# Altium PCB BaseBoard_KB_ATM_.PcbDoc (part 2 of 2)
Units mm, origin at the board's own origin, x right, y up, seen from the top; angles counter-clockwise.
Board outline 97.5 x 100 mm, 2 copper layers (Component Side, Bottom Layer), stack 1.57 mm thick; 186 components, 117 nets, 507 pads, 152 vias.
Unrouted connection lines stored in the file: 4.
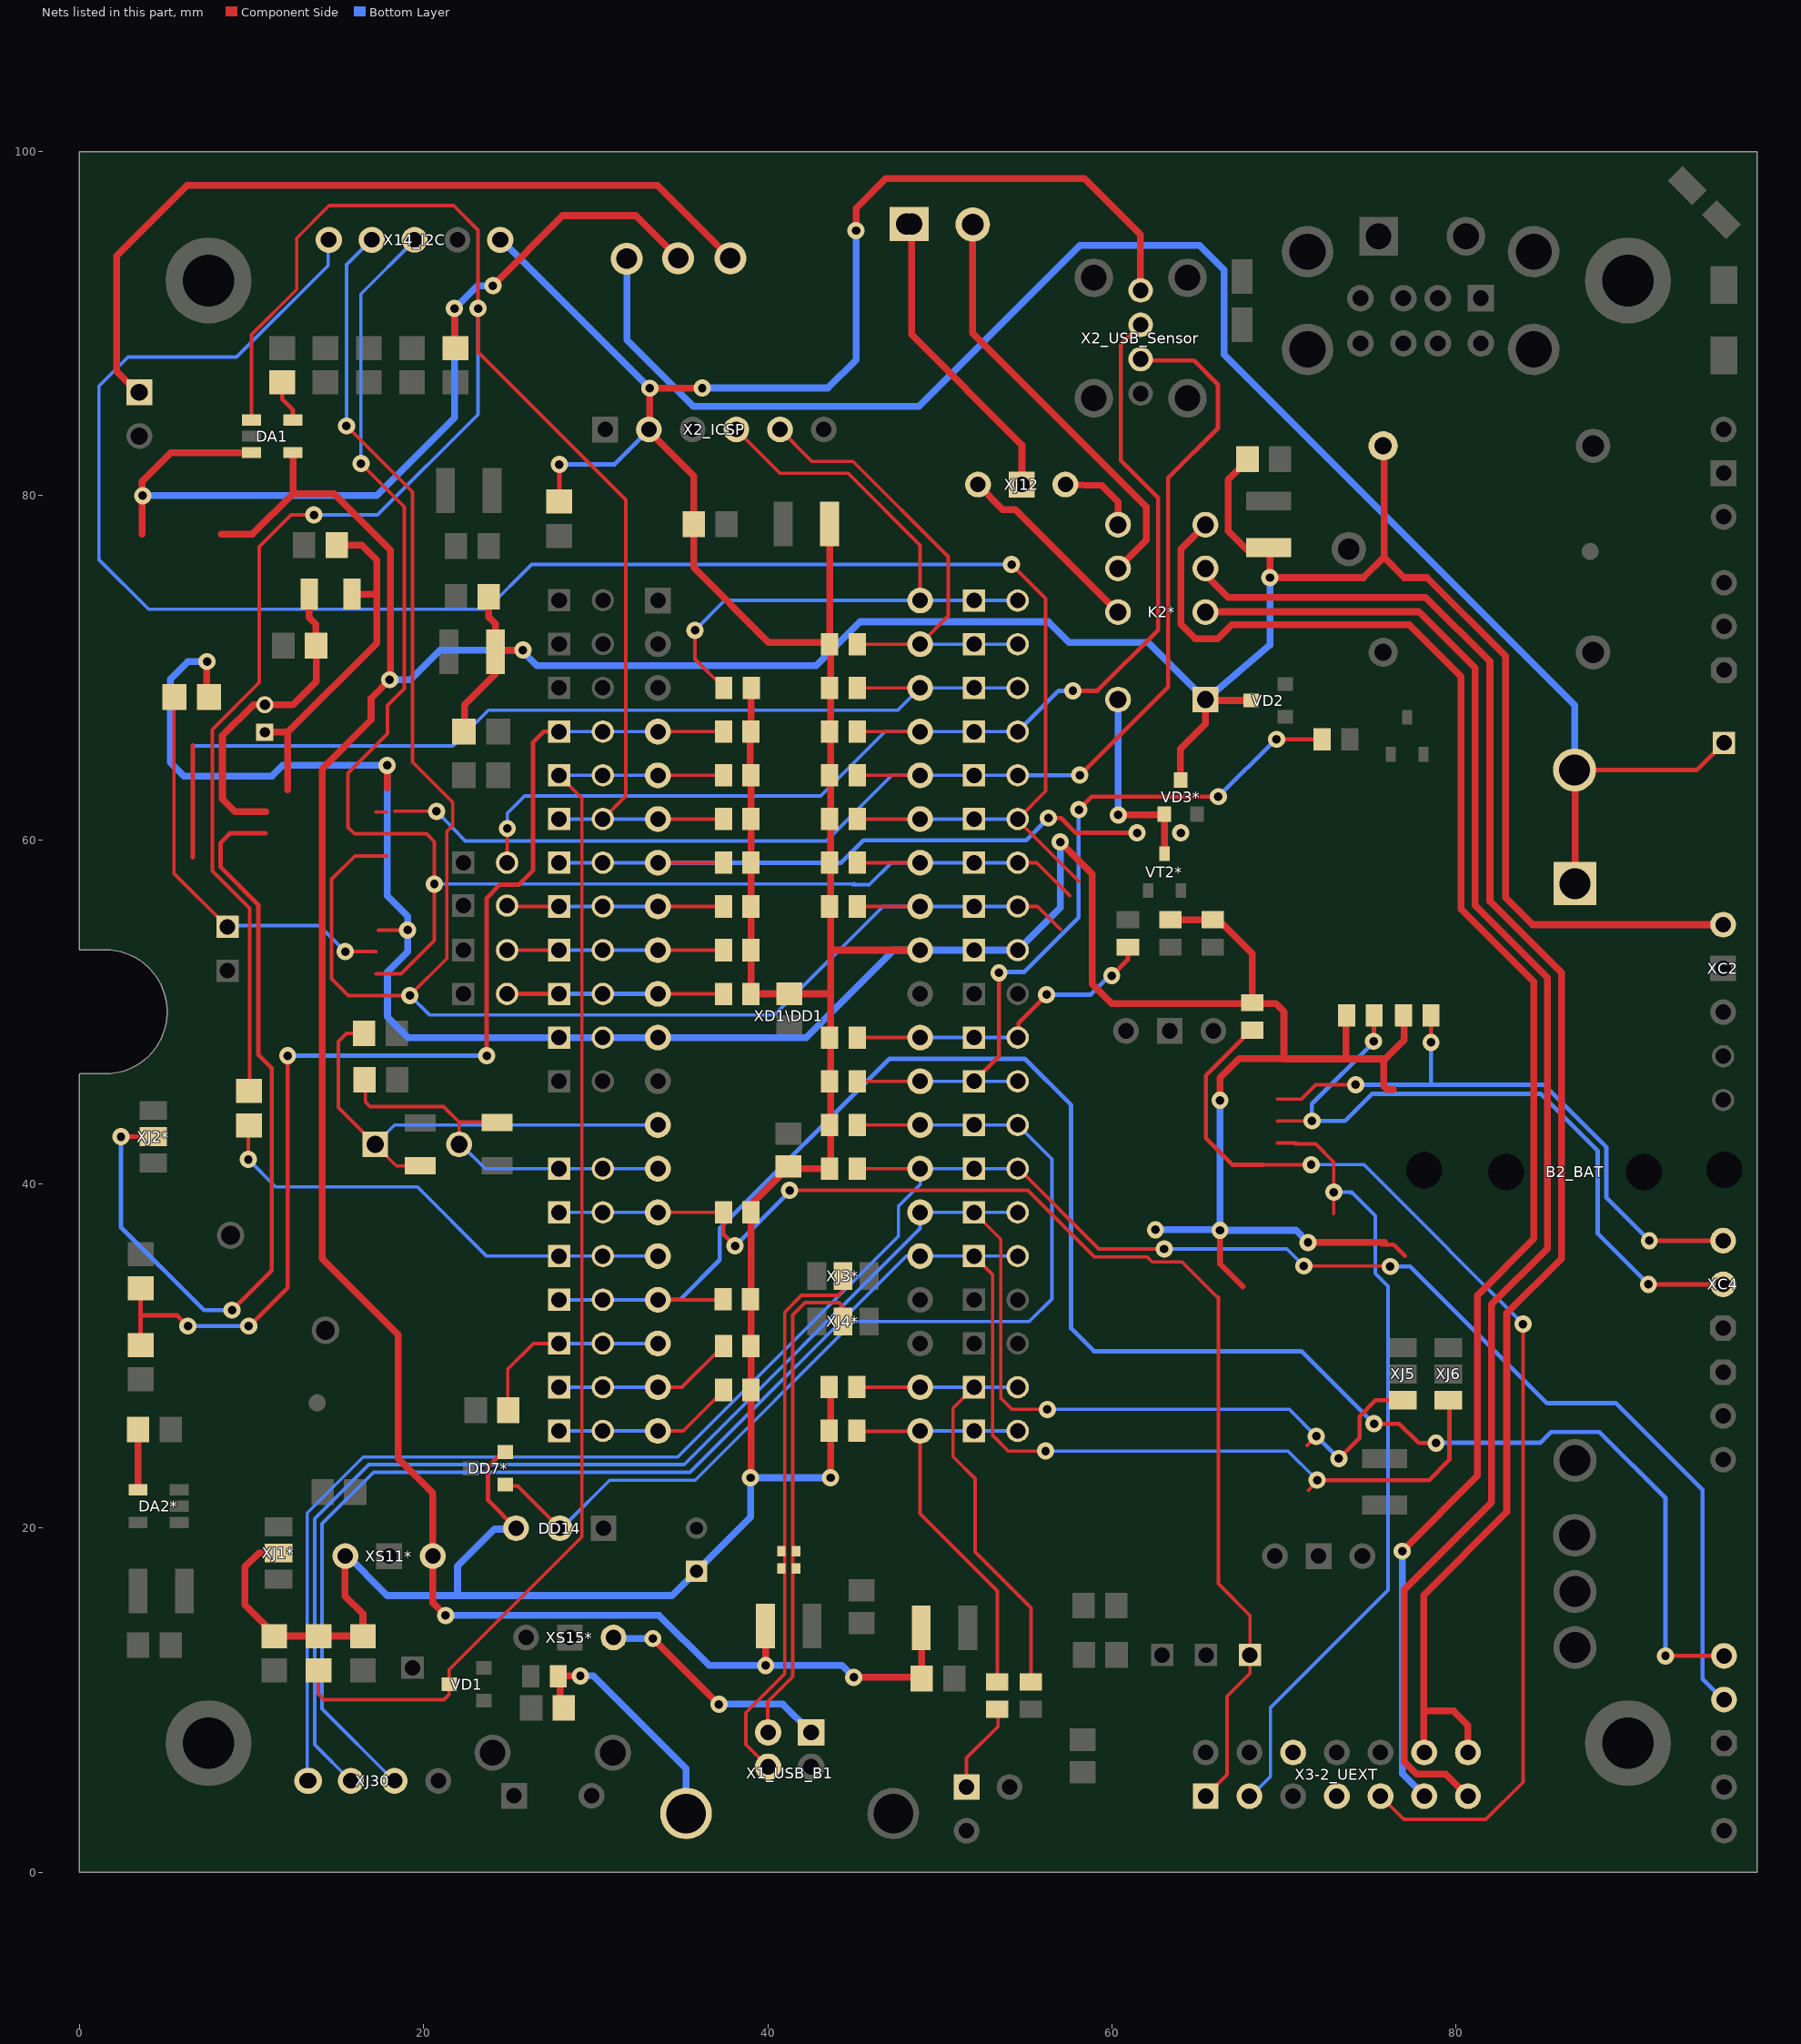
[diagram p2: the nets of this part, all layers, seen from the top]

## Via types
v1: diameter 1, hole 0.5, Component Side to Bottom Layer, tented both sides, 92 vias
v2: diameter 1, hole 0.5, Component Side to Bottom Layer, 45 vias
v3: diameter 1.5, hole 0.9, Component Side to Bottom Layer, tented both sides, 6 vias
v4: diameter 1.85, hole 1.2, Component Side to Bottom Layer, 5 vias
v5: diameter 2, hole 1.3, Component Side to Bottom Layer, 4 vias

## Nets (pads, with @x,y where several pads share a name; then routed paths per layer and width w, separated by ;. In a path a pad name is that pad's centre, name@x,y a point inside that pad or via, vN(x,y) a via of type N, cw(c..) or ccw(c..) an arc to the next point about the centre after c; other vN are vias at no path point) (continued)
INT0: R43.1 X2_USB_Sensor.3 XD1\DD1.36 XJP1_2_11.1 XJP1_2_11.2 | length 77.6
  Component Side w0.2: 17.24,61.62 17.255,61.605 17.854,61.605 ; 18.315,61.656 v1(20.752,61.656) ; R43.1@45.2,63.746 XD1\DD1.36@48.858,63.746
  Component Side w0.254: v2@58.141,63.746 63.275,68.88 63.275,81.03 66.167,83.922 66.167,86.462 64.77,87.859 61.671,87.859 X2_USB_Sensor.3@61.62,87.808
  Bottom Layer w0.2: v1(20.752,61.656) 22.427,59.93 43.405,59.93 47.221,63.746 XJP1_2_11.1@51.99,63.746 ; XJP1_2_11.1@51.99,63.746 XJP1_2_11.2@54.53,63.746
  Bottom Layer w0.254: XJP1_2_11.2@54.53,63.746 v2@58.123,63.746
  other v2: 58.141,63.754
INT2: R42.1 X14_I2C.5 XD1\DD1.35 XJP1_2_10.1 XJP1_2_10.2 | length 113.8
  Component Side w0.2: R42.1@45.2,61.206 XD1\DD1.35@48.858,61.206 ; v2(54.175,76) 56.15,74.025 56.15,62.826 XJP1_2_10.2@54.53,61.206 54.53,61.132 58.09,57.573
  Bottom Layer w0.2: X14_I2C.5@14.453,94.869 14.453,93.37 9.132,88.05 2.825,88.05 1.125,86.35 1.125,76.3 4.025,73.4 23.675,73.4 26.275,76 v2(54.175,76) ; XD1\DD1.35@48.858,61.206 XJP1_2_10.1@51.99,61.206 XJP1_2_10.2@54.53,61.206
  other v3: 14.503,94.869
K4_2: K2*.3 X3-2_UEXT.13 | length 90.3
  Component Side w0.4: K2*.3@65.44,73.23 65.464,73.254 77.837,73.254 81.113,69.978 81.113,56.199 85.319,51.994 85.319,36.246 82.075,33.002 82.075,21.496 76.987,16.408 76.987,6.426 77.699,5.715 79.386,5.715 X3-2_UEXT.13@80.689,4.412
K4_3: K2*.4 X3-2_UEXT.12 X3-2_UEXT.14 | length 92.6
  Component Side w0.4: K2*.4@65.44,75.77 65.44,75.41 66.758,74.092 78.232,74.092 81.975,70.349 81.975,56.43 86.131,52.273 86.131,35.662 82.95,32.48 82.95,20.923 78.13,16.103 78.13,9.373 79.858,9.373 80.696,8.534 X3-2_UEXT.14@80.696,6.96 ; X3-2_UEXT.12@78.13,6.96 78.13,10.096
K4_4: K2*.5 X3-2_UEXT.11 | length 95.1
  Component Side w0.4: K2*.5@65.44,78.31 64.004,76.874 64.004,72.521 64.846,71.679 66.153,71.679 66.966,72.492 77.292,72.492 80.3,69.484 80.3,55.971 84.531,51.74 84.531,36.805 81.25,33.523 81.25,23.033 v1(76.875,18.658)
  Bottom Layer w0.4: v1(76.875,18.658) 76.875,5.726 X3-2_UEXT.11@78.168,4.432
K4_5: K2*.8 XJ12.3 | length 5.2
  Component Side w0.4: XJ12.3@57.302,80.645 59.419,80.585 60.36,79.645 K2*.8@60.36,78.31 ; K2*.8@60.36,78.894 K2*.8@60.665,78.589
K4_6: K2*.9 pad.2@51.918,95.758 | length 25.1
  Component Side w0.4: pad.2@51.689,95.834 pad.2@51.918,95.758 51.918,89.433 62,79.351 62,77.41 K2*.9@60.36,75.77
K4_7: K2*.10 XJ12.1 | length 11.2
  Component Side w0.4: XJ12.1@52.239,80.628 52.239,80.603 53.645,79.197 54.393,79.197 60.323,73.267 K2*.10@60.323,73.23
NetB1_1: XJ2*.2 | length 47.4
  Component Side w0.254: v1(2.413,42.748) XJ2*.2@3.886,42.748 ; v1(8.87,32.664) 11.176,34.971 11.176,46.736 10.389,47.523 10.389,56.231 8.204,58.415 8.204,59.842 8.738,60.376 10.83,60.376
  Bottom Layer w0.254: v1(2.413,42.748) 2.413,37.483 7.231,32.664 v1(8.87,32.664)
NetB2_1: B2_BAT.1 GND3.1@86.893,64.059 XC4.1@95.58,65.634 | length 99.2
  Component Side w0.254: GND3.1@86.893,64.059 86.919,64.059 94.005,64.059 XC4.1@95.58,65.634
  Component Side w0.4: B2_BAT.1@86.919,57.48 GND3.1@86.919,64.059
  Bottom Layer w0.4: v4@31.798,93.726 31.826,93.698 31.826,89.052 35.687,85.192 48.793,85.192 58.141,94.539 65.1,94.539 66.523,93.116 66.523,88.189 86.893,67.818 GND3.1@86.893,64.135 ; B2_BAT.1@86.919,57.023 B2_BAT.1@86.919,57.455
  other v4: 31.801,93.777
NetC3_2: C3.2 Q1_1*.1 Q1_2.1 XD1\DD1.13 | length 28.6
  Component Side w0.2: C3.2@16.6,48.75 15.525,48.75 15.05,48.275 15.05,44.435 Q1_1*.1@17.185,42.3 ; Q1_1*.1@17.185,42.275 18.413,41.046 Q1_2.1@19.815,41.046
  Bottom Layer w0.2: Q1_1*.1@17.185,42.3 18.311,43.426 XD1\DD1.13@33.618,43.426
NetC5_2: C5*.2 Q2_1*.2 Q2_2*.2 | length 18.9
  Component Side w0.4: 10.83,61.646 9.027,61.646 8.306,62.367 8.306,66.04 10.116,67.85 12.425,67.85 13.775,69.2 13.775,70.825 C5*.2@14.15,71.2 ; Q2_2*.2@13.175,74.2 Q2_2*.2@13.35,74.025 ; Q2_2*.2@13.35,74.275 Q2_2*.2@13.35,74.025 ; Q2_2*.2@13.375,74 Q2_2*.2@13.35,74.025 ; C5*.2@13.75,71.275 13.75,72.525 13.35,72.925 Q2_2*.2@13.35,74.025
NetC6_1: C6.1 XD1\DD1.18 XJP1_1.1 XJP1_1.2 | length 11.7
  Component Side w0.2: C6.1@24.892,26.848 24.892,29.238 26.38,30.726 XJP1_1.1@27.876,30.726
  Bottom Layer w0.2: XJP1_1.1@27.876,30.726 XJP1_1.2@30.416,30.726 XD1\DD1.18@33.618,30.726
NetC7_2: C7*.2 Q2_1*.1 Q2_2*.1 | length 21
  Component Side w0.4: Q2_1*.1@10.77,66.251 12.097,66.25 17.275,71.428 17.275,74.175 ; 12.1,62.916 12.1,66.24 ; C7*.2@14.95,77.125 16.4,77.125 17.275,76.25 17.275,74.175 ; Q2_2*.1@15.85,74.275 17.175,74.275 17.275,74.175
NetC16_1: C16*.2 DA2*.4 | length 3.5
  Component Side w0.4: DA2*.4@3.4,22.225 C16*.2@3.4,25.725 C16*.2@3.4,25.75
NetD6_1: DA1.3 R8P.2 | length 57.8
  Component Side w0.2: 3.65,77.75 3.625,77.775 3.65,77.8 3.675,77.825 v1(3.675,80)
  Component Side w0.4: 3.65,77.75 3.65,77.8 3.65,80.831 5.319,82.5 DA1.3@10,82.5 ; R8P.2@21.625,88.3 21.514,88.411 21.793,88.691 v1(21.793,90.881) ; v1(24.026,92.202) 28.099,96.275 32.325,96.275 v4(34.798,93.802) v4@34.836,93.764
  Bottom Layer w0.4: v1(3.675,80) 17.275,80 21.793,84.518 v1(21.793,90.881) 23.114,92.202 v1(24.026,92.202)
  other v4: 34.798,93.802
NetDD1_23: ?.1 ?.2 X1_USB_B1.2 XJ4*.2 | length 29
  Component Side w0.2: X1_USB_B1.2@40,8.125 40,9.908 41.45,11.358 41.45,17.661 41.45,32.382 42.164,33.096 44.145,33.096 44.374,32.868 XJ4*.2@44.374,32.004
NetDD1_24: L2.1 L2.2 X1_USB_B1.3 XJ3*.2 | length 32.7
  Component Side w0.2: X1_USB_B1.3@40.025,6.125 38.725,7.425 38.725,9.275 40.996,11.546 40.996,32.563 41.961,33.528 44.094,33.528 44.374,33.807 XJ3*.2@44.374,34.646 XJ3*.2@44.374,34.671
NetDD5_7: R28*.2@5.528,68.301 XS3*.1 | length 25.1
  Component Side w0.2: R28*.2@5.486,67.636 5.486,58.056 XS3*.1@8.527,55.015 ; R28*.2@5.528,68.305 5.528,67.678 R28*.2@6.15,68.3 ; XS3*.1@8.2,54.8 XS3*.1@8.2,55.325 ; v1(15.451,53.5) 17.21,53.5 17.225,53.485
  Bottom Layer w0.2: XS3*.1@8.691,55.016 13.934,55.016 v1(15.451,53.5)
NetHL2_1: HL2.1 R25.2 XL1.1 | length 5.1
  Component Side w0.2: HL2.1@51.555,4.949 51.555,6.635 53.391,8.471 53.391,9.066 R25.2@53.575,9.25
NetR3_2: DA1.5 R27.2 | length 2.6
  Component Side w0.2: R27.2@11.575,86.63 R27.2@11.786,86.419 ; DA1.5@12.4,84.4 DA1.5@12.406,84.4
  Component Side w0.254: R27.2@11.786,86.419 11.786,85.608 12.4,84.993 DA1.5@12.4,84.4
NetS1_3: X10_BAT.1 | length 48.5
  Component Side w0.4: X10_BAT.1@3.435,85.935 2.15,87.22 2.15,93.925 6.25,98.025 33.598,98.025 v4(37.821,93.802) ; v4@37.541,93.193 v4@37.541,94.056
  other v4: 37.821,93.802
NetX3-2_UEXT_13: R56.1 XC4.2 | length 41.6
  Component Side w0.2: 69.625,43.655 69.633,43.663 v2(71.628,43.663)
  Component Side w0.254: v2@75.235,48.285 R56.1@75.235,49.657 ; v2(91.186,34.163) XC4.2@95.529,34.163
  Bottom Layer w0.254: v2@75.235,48.438 75.235,48.26 71.628,44.653 v2(71.628,43.663) 73.558,43.663 75.133,45.237 84.93,45.237 88.24,41.927 88.24,37.109 v2(91.186,34.163)
  other v2: 75.209,48.285
NetX3-2_UEXT_14: R57.1 XC4.3 | length 35.8
  Component Side w0.2: 69.625,44.925 71,44.925 71.845,45.77 v2(74.167,45.77)
  Component Side w0.254: v2(78.549,48.231) R57.1@78.549,49.784 ; v2(91.237,36.703) XC4.3@95.529,36.703
  Bottom Layer w0.254: v2(74.167,45.77) 78.495,45.77 78.549,45.824 v2(78.549,48.231) ; 78.549,45.77 85.116,45.77 88.748,42.139 88.748,39.192 v2(91.237,36.703) ; XC4.3@95.529,36.703 XC4.3@95.606,36.703
NetX3_USB_Sensor_2: pad.1@48.082,95.783 pad.1@48.362,95.783 XJ12.2 | length 17.8
  Component Side w0.4: pad.1@48.362,95.783 48.362,89.357 54.773,82.946 XJ12.2@54.773,80.645
NetX5_USBA_1: 
NetX5_USBA_2: 
NetX5_USBA_3: 
NetX5_USBA_4: 
OSC2: C4.2 Q1_1*.2 Q2.2 XD1\DD1.14 XJP1_2_7.1 XJP1_2_7.2 | length 22.9
  Component Side w0.2: C4.2@16.625,46.126 16.625,44.758 16.885,44.498 21.161,44.498 22.065,43.594 ; Q1_1*.2@22.065,42.3 22.065,43.594 ; Q2.2@24.282,43.594 22.065,43.594
  Bottom Layer w0.2: Q1_1*.2@22.065,42.3 22.165,42.3 23.579,40.886 XJP1_2_7.1@27.876,40.886 XJP1_2_7.2@30.416,40.886 XD1\DD1.14@33.618,40.886
P00: R55.1 X3-2_UEXT.9 | length 67
  Component Side w0.2: 68.791,41.115 v1(71.585,41.115) ; X3-2_UEXT.9@75.616,4.42 76.962,3.073 81.737,3.073 83.896,5.232 v1(83.896,31.852)
  Component Side w0.254: R55.1@68.44,48.844 67.996,48.844 65.464,46.312 65.464,42.647 66.996,41.115 68.791,41.115
  Bottom Layer w0.2: v1@71.552,41.123 74.651,41.123 79.578,36.195 79.578,36.17 v1(83.896,31.852)
P01: X3-2_UEXT.3 | length 47.3
  Component Side w0.2: 69.625,42.385 70.722,42.385 70.662,42.325 71.848,42.325 72.898,41.275 v1(72.898,39.522) 72.898,38.273
  Bottom Layer w0.2: X3-2_UEXT.3@67.996,4.343 69.225,5.573 69.225,9.575 76.048,16.398 76.048,34.061 75.311,34.798 75.311,38.151 73.939,39.522 73.889,39.472 73.838,39.522 v1(72.898,39.522)
P02: 
P03: 
P05: K2*.12 VD3*.1 VT2*.3 | length 11.4
  Component Side w0.4: v1@60.389,61.459 VD3*.1@62.956,61.459 ; VT2*.3@63.054,59.281 VD3*.1@63.054,61.484
  Bottom Layer w0.4: v1(60.376,61.443) K2*.12@60.376,68.083
P06: 
P07: 
P08: 
P10: 
P11: 
P12: 
P13: 
P16: X3-2_UEXT.6 | length 0.1
  Component Side w0.2: X3-2_UEXT.6@70.496,6.949 X3-2_UEXT.6@70.536,6.989
P17: X3-2_UEXT.7
RA2: R28*.1@3.556,30.642 R29*.1 R30.1 XD1\DD1.4 XJP1_2_3.1 XJP1_2_3.2 | length 69.3
  Component Side w0.2: XD1\DD1.4@33.618,66.286 R30.1@37.425,66.286
  Component Side w0.254: R28*.1@3.551,30.642 3.551,32.36 ; R29*.1@3.551,33.916 3.551,32.36 ; v1(6.299,31.742) 5.682,32.36 3.551,32.36 ; v1@9.873,31.742 12.1,33.969 v1(12.1,47.447) ; v1(23.669,47.447) 23.669,56.613 24.452,57.396 25.544,57.396 26.365,58.217 26.365,65.673 26.978,66.286 XJP1_2_3.1@27.876,66.286
  Bottom Layer w0.2: XJP1_2_3.1@27.876,66.286 XJP1_2_3.2@30.416,66.286 XD1\DD1.4@33.618,66.286
  Bottom Layer w0.254: v1(6.299,31.742) v1(9.829,31.742) ; v1(12.1,47.447) v1(23.669,47.447)
RA3: R31.1 R50P.2 VD1.3 XD1\DD1.5 XJP1_2_4.1 XJP1_2_4.2 | length 76
  Component Side w0.2: R50P.2@13.889,11.725 13.889,10.358 14.214,10.033 21.184,10.033 21.488,10.338 21.488,11.786 29.2,19.497 29.2,62.422 XJP1_2_4.1@27.876,63.746 ; XD1\DD1.5@33.618,63.746 R31.1@37.425,63.746 R31.1@37.475,63.746
  Bottom Layer w0.2: XJP1_2_4.1@27.876,63.746 XJP1_2_4.2@30.416,63.746 XD1\DD1.5@33.618,63.746
RA4: DA1.1 R4.2 R32*.1 XD1\DD1.6 XJP1_2_5.1 XJP1_2_5.2 | length 127.4
  Component Side w0.2: DA1.1@9.993,84.35 9.993,89.35 12.624,91.981 12.624,94.945 12.619,94.941 ; R4.2@10.075,45.7 9.9,45.875 9.9,56.013 7.722,58.191 7.722,66.41 10.45,69.138 10.45,77.025 12.3,78.875 v1(13.625,78.875) ; 12.624,94.964 14.509,96.849 21.743,96.849 23.165,95.428 v1(23.165,90.881) 23.165,88.341 31.75,79.756 31.75,62.54 XJP1_2_5.2@30.416,61.206 XJP1_2_5.2@30.859,61.206 ; XD1\DD1.6@33.618,61.206 R32*.1@37.425,61.206
  Bottom Layer w0.2: v1(13.625,78.875) 17.325,78.875 23.165,84.715 v1(23.165,90.881) ; XJP1_2_5.1@27.876,61.206 XJP1_2_5.2@30.416,61.206 XD1\DD1.6@33.618,61.206
RA5: R33.1 XD1\DD1.7 XJP1_2_6.1 XJP1_2_6.2 | length 38.9
  Component Side w0.2: XD1\DD1.7@33.618,58.666 R33.1@37.425,58.666
  Component Side w0.254: v2(56.312,61.265) 57.048,61.265 57.912,60.401 v2@61.443,60.401
  Bottom Layer w0.2: XJP1_2_6.1@27.876,58.666 XJP1_2_6.2@30.416,58.666 XD1\DD1.7@33.618,58.666
  Bottom Layer w0.254: XD1\DD1.7@33.618,58.666 44.264,58.666 45.568,59.969 55.016,59.969 v2@56.299,61.252 ; v2@61.443,60.401 v2(61.468,60.401) ; v2(64.008,60.401) v2@64.084,60.401
RB4: JP21.2 R44.1 X2_USB_Sensor.2 XD1\DD1.37 XJP1_2_12.1 XJP1_2_12.2 | length 68
  Component Side w0.2: JP21.2@24.853,58.666 24.853,59.474 24.867,59.487 v1(24.867,60.655) ; R44.1@45.2,66.286 XD1\DD1.37@48.858,66.286
  Component Side w0.254: v2@57.683,68.656 57.709,68.682 v2(57.734,68.656) 59.106,68.656 59.131,68.682 59.157,68.656 62.687,72.187 62.687,79.883 60.528,82.042 60.528,88.773 X2_USB_Sensor.2@61.646,89.891
  Bottom Layer w0.2: v1(24.867,60.655) 24.867,61.544 25.872,62.55 43.075,62.55 46.811,66.286 XJP1_2_12.1@51.99,66.286 ; XJP1_2_12.1@51.99,66.286 XJP1_2_12.2@54.53,66.286
  Bottom Layer w0.254: XJP1_2_12.2@54.53,66.286 56.9,68.656 v2(57.734,68.656) v2@57.836,68.656
RB5: R45.1 XD1\DD1.38 XJP1_2_13.1 XJP1_2_13.2 | length 59.5
  Component Side w0.2: R45.1@45.2,68.826 XD1\DD1.38@48.858,68.826
  Component Side w0.254: 6.585,58.975 6.585,65.475
  Bottom Layer w0.2: 6.585,65.45 21.7,65.45 23.775,67.525 47.557,67.525 XD1\DD1.38@48.858,68.826 XJP1_2_13.1@51.99,68.826 XJP1_2_13.2@54.53,68.826
RB6: R46*.1 X2_ICSP.5 XD1\DD1.39 XJP1_2_14.1 XJP1_2_14.2 | length 28
  Component Side w0.2: X2_ICSP.5@40.742,83.82 42.57,81.991 44.958,81.991 50.5,76.449 50.5,73.008 XD1\DD1.39@48.858,71.366 R46*.1@45.2,71.366
  Component Side w0.254: X2_ICSP.5@40.716,83.871 X2_ICSP.5@40.716,83.845 40.716,83.795 X2_ICSP.5@40.742,83.82
  Bottom Layer w0.2: XD1\DD1.39@48.858,71.366 XJP1_2_14.1@51.99,71.366 ; XJP1_2_14.1@51.99,71.366 XJP1_2_14.2@54.53,71.366
RB7: R47*.1 X2_ICSP.4 XD1\DD1.40 XJP1_2_15.1 XJP1_2_15.2 | length 40.5
  Component Side w0.2: v1@35.662,72.012 v1@35.775,72.125 ; v1(35.775,72.175) v1@35.775,72.125 ; v1@35.8,72.15 v1@35.775,72.125 ; R47*.1@37.45,68.825 35.775,70.5 v1@35.775,72.125 ; X2_ICSP.4@38.176,83.845 38.189,83.833 40.716,81.305 44.67,81.305 48.858,77.117 XD1\DD1.40@48.858,73.906
  Component Side w0.254: X2_ICSP.4@38.176,83.845 38.176,83.82 X2_ICSP.4@38.189,83.833
  Bottom Layer w0.2: v1@35.8,72.15 v1(35.775,72.175) 37.506,73.906 XD1\DD1.40@48.858,73.906 XJP1_2_15.1@51.99,73.906 XJP1_2_15.2@54.53,73.906
RC0: R37.1 X3-2_UEXT.1 XD1\DD1.15 XJP1_2_16.1 XJP1_2_16.2 XS1.1 | length 74.6
  Component Side w0.2: XD1\DD1.15@33.618,38.346 35.267,38.346 R37.1@37.425,38.346 ; v2@41.326,39.624 55.118,39.624 58.979,35.763 62.052,35.763 62.345,35.47 64.08,35.47 66.15,33.4 ; X3-2_UEXT.1@65.456,4.42 66.7,5.664 66.7,10.225 68.025,11.55 XS1.1@68.025,12.625 68.025,14.931 66.192,16.764 66.192,33.426
  Component Side w0.254: R37.1@37.425,38.346 37.425,37.073 v2(38.1,36.398)
  Bottom Layer w0.2: XJP1_2_16.1@27.876,38.346 XJP1_2_16.2@30.416,38.346 XD1\DD1.15@33.618,38.346
  Bottom Layer w0.254: v2(38.1,36.398) v2@41.326,39.624
  other v2: 41.275,39.624
RC1: R4.1 XD1\DD1.16 XJP1_2_17.1 XJP1_2_17.2 | length 29
  Component Side w0.2: R4.1@9.625,43.65 9.812,43.838 10.075,43.575 9.812,43.312 v1(9.812,41.419)
  Bottom Layer w0.2: v1(9.812,41.419) 11.407,39.825 19.65,39.825 23.669,35.806 XJP1_2_17.1@27.876,35.806 XJP1_2_17.2@30.416,35.806 XD1\DD1.16@33.618,35.806
RC2: R19.1 XD1\DD1.17 XJP1_2_18.1 XJP1_2_18.2 XS3.1@95.58,12.573 | length 106.2
  Component Side w0.2: XD1\DD1.17@33.618,33.266 R19.1@37.4,33.266
  Component Side w0.254: v1@75.26,26.06 76.708,26.06 77.826,24.943 v1(78.842,24.943) v1@78.867,24.943 ; v1(92.177,12.573) XS3.1@95.58,12.573 XS3.1@95.606,12.573
  Bottom Layer w0.2: XJP1_2_18.1@27.876,33.266 XJP1_2_18.2@30.416,33.266 XD1\DD1.17@33.618,33.266
  Bottom Layer w0.254: XD1\DD1.17@33.63,33.274 34.9,33.274 37.211,35.585 37.211,37.414 47.066,47.269 54.94,47.269 57.633,44.577 57.633,31.598 58.953,30.277 71.018,30.277 v1(75.235,26.06) ; v1@78.867,24.968 84.912,24.968 85.522,25.578 88.341,25.578 92.177,21.742 v1(92.177,12.573)
RD0: R10.1 XD1\DD1.19 XJP1_1_7.1 XJP1_1_7.2 | length 10.5
  Component Side w0.2: XD1\DD1.19@33.618,28.186 35.037,28.186 35.011,28.186 R10.1@37.35,30.525
  Bottom Layer w0.2: XJP1_1_7.1@27.876,28.186 XJP1_1_7.2@30.416,28.186 XD1\DD1.19@33.618,28.186
RD1: R11.1 XD1\DD1.20 XJP1_1_8.1 XJP1_1_8.2 | length 10.5
  Component Side w0.2: XD1\DD1.20@33.618,25.646 35.096,25.646 R11.1@37.45,28
  Bottom Layer w0.2: XJP1_1_8.1@27.876,25.646 XJP1_1_8.2@30.416,25.646 XD1\DD1.20@33.618,25.646
RD2: R12.1 R25.1 XD1\DD1.21 XJP1_1_9.1 XJP1_1_9.2 | length 25.7
  Component Side w0.2: R12.1@45.085,25.629 XD1\DD1.21@48.87,25.629 ; XD1\DD1.21@48.858,25.621 48.858,20.84 53.354,16.344 53.354,11.47 R25.1@53.543,11.281
  Bottom Layer w0.2: XD1\DD1.21@48.858,25.646 XJP1_1_9.1@51.99,25.646 XJP1_1_9.2@54.53,25.646
RD3: R13.1 R26.1 XD1\DD1.22 XJP1_1_10.1 XJP1_1_10.2 | length 29
  Component Side w0.2: R13.1@45.136,28.186 XD1\DD1.22@48.858,28.186 ; XJP1_1_10.1@51.99,28.186 50.775,26.971 50.775,24.15 52.05,22.875 52.05,18.613 55.3,15.363 R26.1@55.3,10.998
  Bottom Layer w0.2: XD1\DD1.22@48.858,28.186 XJP1_1_10.1@51.99,28.186 XJP1_1_10.2@54.53,28.186
RD4: R14.1 XD1\DD1.27 XJ30.1 XJP1_1_11.1 XJP1_1_11.2 XS3.1@95.58,10.033 | length 130.5
  Component Side w0.2: R14.1@45.2,40.886 XD1\DD1.27@48.858,40.886 ; XJP1_1_11.1@51.99,40.785 XJP1_1_11.1@51.99,40.886 ; XJP1_1_11.2@54.582,40.886 59.247,36.22 v1(63.043,36.22) ; v1@71.476,35.23 v1@76.175,35.23
  Bottom Layer w0.2: XJ30.1@13.36,5.283 v3(13.335,5.309) 13.233,5.41 13.233,20.879 16.485,24.13 34.773,24.13 47.6,36.957 47.6,38.71 48.87,39.98 XD1\DD1.27@48.87,40.886 ; XD1\DD1.27@48.858,40.886 XD1\DD1.27@48.87,40.886 ; XD1\DD1.27@48.87,40.894 XD1\DD1.27@48.87,40.886 ; XJP1_1_11.2@54.53,40.886 XJP1_1_11.1@51.99,40.886 XD1\DD1.27@48.87,40.886 ; v1(63.043,36.22) 70.169,36.22 v1(71.159,35.23)
  Bottom Layer w0.254: v1(76.175,35.204) 77.343,35.204 85.293,27.254 89.306,27.254 94.336,22.225 94.336,11.227 XS3.1@95.58,9.982
RD5: DD7*.1 DD14.2 R15.1 XD1\DD1.28 XJP1_1_12.1 XJP1_1_12.2 | length 58.3
  Component Side w0.2: DD7*.1@24.749,22.443 25.461,22.443 DD14.2@27.889,20.015 ; R15.1@45.2,43.426 XD1\DD1.28@48.858,43.426
  Bottom Layer w0.2: DD14.2@27.987,20.362 28.389,20.362 30.81,22.784 35.784,22.784 45,32 55.2,32 56.515,33.315 56.515,41.441 XJP1_1_12.2@54.53,43.426 XJP1_1_12.1@51.99,43.426 XD1\DD1.28@48.858,43.426
RD6: R16.1 R52.2 XD1\DD1.29 XJP1_1_13.1 XJP1_1_13.2 | length 44.3
  Component Side w0.2: R16.1@45.2,45.966 47.356,45.966 XD1\DD1.29@48.858,45.966
  Component Side w0.254: XJP1_1_13.1@51.99,45.966 53.442,47.418 v2(53.442,52.273) 53.543,52.273 v2@53.594,52.324 ; v2@58.075,61.747 58.592,62.264 58.837,62.509 v2(66.192,62.509) ; v2(69.571,65.837) R52.2@72.225,65.837
  Bottom Layer w0.2: XD1\DD1.29@48.858,45.966 XJP1_1_13.1@51.99,45.966 XJP1_1_13.2@54.53,45.966
  Bottom Layer w0.254: v2@53.594,52.324 54.915,52.324 58.064,55.474 v2@58.064,61.747 ; v2(66.192,62.509) v2@69.545,65.837
  other v2: 58.09,61.747
RD7: R17.1 R51*.2 XD1\DD1.30 XJP1_1_14.1 XJP1_1_14.2 | length 18.8
  Component Side w0.2: R17.1@45.2,48.506 XD1\DD1.30@48.858,48.506
  Component Side w0.254: XJP1_1_14.2@54.577,48.506 54.577,49.344 v2@56.236,51.003 ; v2(59.995,52.095) 60.935,53.035 R51*.2@60.935,53.759 R51*.2@60.935,53.772
  Bottom Layer w0.2: XD1\DD1.30@48.858,48.506 XJP1_1_14.1@51.99,48.506 XJP1_1_14.2@54.53,48.506
  Bottom Layer w0.254: v2(56.21,51.003) 58.776,51.003 59.868,52.095 v2(59.995,52.095)
RE0: JP22.2 R34*.1 XD1\DD1.8 XJP1_1_15.1 XJP1_1_15.2 | length 12.6
  Component Side w0.2: JP22.2@24.853,56.126 XJP1_1_15.1@27.876,56.126 ; XD1\DD1.8@33.618,56.126 R34*.1@37.425,56.126
  Bottom Layer w0.2: XJP1_1_15.1@27.876,56.126 XJP1_1_15.2@30.416,56.126 XD1\DD1.8@33.618,56.126
RE1: JP23.2 R35.1 XD1\DD1.9 XJP1_1_16.1 XJP1_1_16.2 | length 12.6
  Component Side w0.2: JP23.2@24.853,53.586 XJP1_1_16.1@27.876,53.586 ; XD1\DD1.9@33.618,53.586 R35.1@37.425,53.586
  Bottom Layer w0.2: XJP1_1_16.1@27.876,53.586 XJP1_1_16.2@30.416,53.586 XD1\DD1.9@33.618,53.586
RE2: JP24.2 R36.1 XD1\DD1.10 XJP1_1_17.1 XJP1_1_17.2 | length 12.6
  Component Side w0.2: XD1\DD1.10@33.618,51.046 35.037,51.046 R36.1@37.425,51.046
  Component Side w0.254: JP24.2@24.851,51.046 XJP1_1_17.1@27.876,51.046
  Bottom Layer w0.254: XJP1_1_17.1@27.876,51.046 XJP1_1_17.2@30.416,51.046 XD1\DD1.10@33.618,51.046
RX: XD1\DD1.26 XJ5.3 XJ30.2 XJP1_2_22.1 XJP1_2_22.2 | length 104.5
  Component Side w0.2: XJP1_2_22.1@51.99,38.346 53.55,36.786 53.55,27.55 54.2,26.9 v1(56.25,26.9) ; 71.35,24.8 v1(71.882,25.332) v1@72.112,25.562
  Component Side w0.254: v1@73.203,24.054 74.397,25.248 74.397,26.492 75.336,27.432 XJ5.3@76.937,27.432
  Bottom Layer w0.2: XJ30.2@15.913,5.296 15.786,5.296 XJ30.2@15.773,5.309 13.665,7.417 13.665,20.54 16.821,23.696 35.151,23.696 48.858,37.403 XD1\DD1.26@48.858,38.346 XJP1_2_22.1@51.99,38.346 XJP1_2_22.2@54.53,38.346 ; v1(56.25,26.9) 70.314,26.9 v1(71.882,25.332)
  Bottom Layer w0.254: v1(71.882,25.332) v1@73.175,24.039
  other v1: 73.192,24.039
SCL: R38.1 X14_I2C.3 XD1\DD1.34 XJP1_2_9.1 XJP1_2_9.2 | length 95.1
  Component Side w0.2: 15.604,60.727 15.981,60.35 20.168,60.35 20.623,59.895 v1@20.623,57.429 ; 15.604,60.789 15.604,63.864 17.9,66.16 17.9,67.8 18.879,68.779 18.879,79.343 v1(16.358,81.864) ; 17.225,52.215 18.69,52.215 20.625,54.15 v1(20.625,57.429) ; R38.1@45.2,58.666 XD1\DD1.34@48.858,58.666 ; XJP1_2_9.2@54.53,58.666 55.634,58.666 57.55,56.75
  Bottom Layer w0.2: v1(16.358,81.864) 16.358,91.711 X14_I2C.3@19.493,94.846 ; v1(20.625,57.429) 44.902,57.429 44.948,57.383 45.02,57.455 45.075,57.4 ; 45.125,57.35 45.075,57.4 ; 45.825,57.4 45.075,57.4 ; 45.875,57.35 47.191,58.666 XJP1_2_9.1@51.99,58.666 ; XJP1_2_9.1@51.99,58.666 XJP1_2_9.2@54.53,58.666
SDA: R18.1 X14_I2C.4 XD1\DD1.33 XJP1_2_8.1 XJP1_2_8.2 | length 107.7
  Component Side w0.2: v1(15.519,84.049) 19.355,80.213 19.355,64.516 21.692,62.179 21.692,60.829 21.35,60.487 21.35,53.1 v1(19.202,50.952) ; 17.854,59.065 16.011,59.065 14.656,57.71 14.656,51.919 15.63,50.945 v1@19.202,50.945 ; R18.1@45.2,56.126 XD1\DD1.33@48.858,56.126 ; XJP1_2_8.2@54.53,56.126 55.685,56.126 56.475,55.336 ; 56.475,55.347 56.475,55.336 ; 57.023,54.788 56.475,55.336
  Bottom Layer w0.2: v1(15.519,84.049) 15.519,93.417 X14_I2C.4@16.971,94.869 ; v1(19.202,50.952) 20.33,49.825 40.4,49.825 46.701,56.126 XJP1_2_8.1@51.99,56.126 ; XJP1_2_8.1@51.99,56.126 XJP1_2_8.2@54.53,56.126
  other v3: 16.993,94.869
TX: XD1\DD1.25 XJ6.3 XJ30.3 XJP1_2_21.1 XJP1_2_21.2 | length 106.6
  Component Side w0.2: XJP1_2_21.1@51.99,35.806 53.075,34.721 53.075,25.375 53.975,24.475 v1(56.15,24.475) ; 71.425,22.2 v1@72.009,22.784
  Component Side w0.254: v1@72.009,22.784 78.435,22.784 79.619,23.968 XJ6.3@79.619,27.381
  Bottom Layer w0.2: XJ30.3@18.466,5.309 XJ30.3@18.313,5.309 18.288,5.309 14.097,9.5 14.097,20.247 17.092,23.242 35.485,23.242 48.049,35.806 XJP1_2_21.1@51.99,35.806 ; XJP1_2_21.1@51.99,35.806 XJP1_2_21.2@54.53,35.806 ; v1(56.15,24.475) 70.242,24.475 v1@71.755,22.962
  other v1: 71.933,22.784
VDD2: *R1.1 C9.2 C11.2 C27.2 C28.2 C35.1 DD7*.2 DD14.3 R2*.2 R5.2 R10.2 R11.2 R12.2 R13.2 R14.2 R15.2 R16.2 R17.2 R18.2 R19.2 R28*.1@7.528,68.301 R30.2 R31.2 R32*.2 R33.2 R34*.2 R35.2 R36.2 R37.2 R38.2 R42.2 R43.2 R44.2 R45.2 R46*.2 R47*.2 R50P.1 R55.2 R56.2 R57.2 R58.1 R59.1 X2_ICSP.2 X2_USB_Sensor.1 X14_I2C.1 XD1\DD1.11 XD1\DD1.32 XJ1*.2 XJP1_1_3.1 XJP1_1_3.2 XJP1_1_4.1 XJP1_1_4.2 XS11*.1 | length 405.2
  Component Side w0.2: 17.37,54.762 17.377,54.755 v1(19.075,54.755)
  Component Side w0.254: DD7*.2@24.877,24.343 24.521,24.343 23.749,23.571 23.749,21.615 DD14.3@25.375,19.99 ; R5.2@27.889,79.629 v2(27.889,81.813) v2@27.889,81.839 ; R56.2@73.457,49.784 R56.2@73.609,49.632 ; 73.558,47.269 73.609,47.32 ; 75.692,36.474 76.378,36.474 77.038,35.814
  Component Side w0.35: v1(66.286,37.305) 66.286,35.364 67.612,34.039
  Component Side w0.4: R28*.1@7.401,68.301 v1@7.401,70.358 ; XJ1*.2@11.575,18.55 10.425,18.55 9.625,17.75 9.625,15.55 11.45,13.725 R2*.2@16.475,13.725 16.475,15 15.425,16.05 15.425,18.3 XS11*.1@15.175,18.55 ; 17.879,63.016 v1(17.879,64.32) ; v2@33.204,86.176 v2@33.134,86.246 ; v2@36.195,86.246 v2(33.142,86.246) v2@33.134,86.246 ; R30.2@38.975,66.286 38.975,63.746 39.025,63.696 R32*.2@39.025,61.206 R33.2@39.025,58.666 R34*.2@39.025,56.126 R35.2@39.025,53.586 R36.2@39.025,51.046 R36.2@39.025,50.854 ; v1@39.025,22.925 R37.2@39.025,38.346 39.025,38.797 41.114,40.886 R14.2@43.6,40.886 ; R30.2@39.025,66.286 R47*.2@39.025,68.825 ; R36.2@39.029,51.05 C27.2@41.225,51.05 ; C27.2@41.25,51.05 43.6,51.05 ; R46*.2@43.6,71.366 C11.2@43.6,78.35 ; v1(43.65,22.925) R13.2@43.65,28.169 ; R14.2@43.65,40.886 R16.2@43.65,45.5 ; R16.2@43.65,45.966 43.65,53.57 ; v2@45.136,95.275 v2(45.136,95.402) 45.136,96.698 46.863,98.425 58.42,98.425 61.671,95.174 61.671,91.999 61.595,91.923 61.595,91.897 X2_USB_Sensor.1@61.646,91.846 ; XD1\DD1.32@48.858,53.586 43.65,53.586 43.65,56.126 43.65,71.175 43.35,71.475 40.05,71.475 35.7,75.825 C28.2@35.7,78.35 35.7,81.14 33.134,83.706 v2@33.134,86.246 ; XJP1_1_4.2@54.53,53.586 XJP1_1_4.2@54.707,53.763 ; v2(56.998,59.868) 58.852,58.014 58.852,51.613 59.995,50.47 R55.2@67.869,50.47 ; R58.1@63.373,55.347 65.862,55.347 66.218,55.347 68.174,53.391 R55.2@68.174,50.533 ; v1(66.286,44.861) 66.286,46.17 67.392,47.275 69.996,47.275 ; R55.2@67.932,50.47 69.545,50.47 70.002,50.013 70.002,47.269 73.558,47.269 ; v1(71.401,36.6) 75.85,36.6 ; 73.609,47.269 75.895,47.269 76.987,48.362 R57.2@76.987,49.784 ; 73.609,47.32 R56.2@73.609,49.632 ; 75.81,47.269 75.81,45.675 75.85,45.635 ; 75.85,45.675 75.85,45.635 ; 76.342,45.492 75.992,45.492 75.85,45.635
  Bottom Layer w0.254: v2@27.915,81.813 31.09,81.813 X2_ICSP.2@33.096,83.82
  Bottom Layer w0.4: v1(7.417,70.358) 6.299,70.358 5.275,69.334 5.275,64.499 6.071,63.703 11.187,63.703 11.804,64.32 v1(17.879,64.32) ; XS11*.1@15.425,18.55 17.897,16.078 21.971,16.078 21.971,17.78 24.13,19.939 DD14.3@25.375,19.939 ; v1@17.85,64.35 v1(17.879,64.32) ; 21.996,16.078 34.442,16.078 39,20.636 v1(39,22.925) v1(43.65,22.925) ; X14_I2C.1@24.491,94.889 v2@33.134,86.246 ; v2(36.193,86.248) 36.193,86.459 36.394,86.258 43.51,86.258 45.136,87.884 v2(45.136,95.402) ; XJP1_1_4.1@51.99,53.586 47.311,53.586 42.231,48.506 XJP1_1_3.2@30.416,48.506 XJP1_1_3.1@27.876,48.506 19.113,48.506 17.9,49.719 17.9,52.317 19.075,53.492 v1(19.075,54.755) 19.075,55.55 17.879,56.746 v1(17.879,64.32) ; XJP1_1_4.1@51.99,53.586 XJP1_1_4.2@54.53,53.586 56.998,56.054 v2(56.998,59.868) ; v1(62.535,37.338) 66.253,37.338 v1(66.286,37.305) ; v1(66.286,44.861) v1(66.286,37.305) ; v1(71.401,36.6) 70.696,37.305 v1(66.286,37.305)
  other v3: 24.435,94.869
VUSB: C1.1 C2.2 C10.2 C12.2@67.884,82.118 C23.1 C24.2 DA1.4 K2*.1 L1.2 pad.5 R6P.2 VD2.3 VD3*.3 XC2.1 XS11*.3 | length 253.3
  Component Side w0.2: 12.4,80.112 12.406,80.106 ; C24.2@23.55,74.125 C24.2@23.775,73.9
  Component Side w0.4: 8.25,77.75 10.05,77.75 12.406,80.106 ; DA1.4@12.406,82.5 12.406,80.106 ; v1(21.275,14.925) 20.525,15.675 20.525,22.05 18.525,24.05 18.525,31.225 14.1,35.65 14.1,64.125 16.95,66.975 16.95,68.225 v1(18.025,69.3) 18.075,69.35 18.075,76.831 14.8,80.106 12.406,80.106 ; R6P.2@22.162,66.256 22.377,66.472 22.377,67.852 24.175,69.65 C23.1@24.175,70.925 ; C24.2@23.775,73.9 23.775,72.95 24.175,72.55 C23.1@24.175,70.925 ; v1(25.775,71.025) 24.275,71.025 C23.1@24.175,70.925 ; L1.2@39.847,14.224 L1.2@39.875,14.251 ; v2(39.878,12.014) L1.2@39.878,14.193 ; v1@44.95,11.325 v1(45,11.325) 48.95,11.325 C1.1@48.95,14.975 ; VD3*.3@63.805,63.713 63.983,63.89 63.983,65.278 65.44,66.735 K2*.1@65.44,68.15 ; K2*.1@65.493,68.097 VD2.3@68.088,68.097 ; C12.2@67.742,81.915 66.751,80.924 66.751,77.953 67.843,76.86 68.402,76.86 C10.2@68.478,76.937 ; C10.2@69.19,76.886 v2(69.19,75.235) 74.625,75.235 75.819,76.429 ; pad.5@75.819,82.844 75.819,76.429 ; XC2.1@95.529,55.067 84.455,55.067 82.88,56.642 82.88,70.663 78.308,75.235 76.987,75.235 75.819,76.403 75.819,76.429
  Bottom Layer w0.4: v1(18.025,69.3) 19.225,69.3 20.95,71.025 v1(25.775,71.025) ; v1@21.275,14.935 33.68,14.935 36.601,12.014 v2(39.878,12.014) 44.311,12.014 v1(45,11.325) ; v1@25.775,70.948 26.594,70.129 42.824,70.129 45.364,72.669 56.312,72.669 57.506,71.475 62.115,71.475 K2*.1@65.44,68.15 ; K2*.1@65.464,68.123 69.19,71.315 v2@69.19,75.26
VUSBext: X1_USB_B1.1 XS15*.3 | length 14.1
  Component Side w0.4: v2@33.333,13.581 v2(37.16,9.754) v2@37.186,9.601
  Bottom Layer w0.4: XS15*.3@31.039,13.581 v2(33.325,13.581) ; v2@37.033,9.601 37.211,9.779 40.871,9.779 X1_USB_B1.1@42.525,8.125
X1_USB_GND: C13.1 R23.1 X1_USB_B1.MH@35.255,3.415 | length 14.1
  Component Side w0.4: C13.1@27.925,9.5 27.925,11.379 27.95,11.405 v1@28.956,11.405 ; v1@28.931,11.379 v1@28.956,11.405 ; v1(29.108,11.405) v1@28.956,11.405
  Bottom Layer w0.4: v1(29.108,11.405) 29.87,11.405 35.255,6.02 X1_USB_B1.MH@35.255,3.415
X3X2-5: 
X3X2-6: 
pads on no net: *R1.2 B1_bat*.1 B1_bat*.MH B2_BAT.MH C17.1 F1.1 F2.1 F2.2 GND4.1 HL2.2 L1.1 Q1_2.2 Q2.1 R2*.1 R3.2 R26.2 R27.1 R29*.2 R39.1 R39.2 R51*.1 R52.1 R58.2 R59.2 SB2.MH SW1_BAT2.1 SW1_BAT2.2 SW1_BAT2.3 SW1_BAT2.MH VD1.2 VD2.1 VD2.2 VD3*.2 VT1.1 VT1.3 VT2*.1 X1_USB_B1.MH@47.295,3.415 X2_ICSP.6 X2_USB_Sensor.MH X3-2_UEXT.5 X3-2_UEXT.8 X5_USBA.1 X5_USBA.3 X5_USBA.4 X5_USBA.5 X5_USBA.7 X5_USBA.8 X5_USBA.MH XC1.1@60.823,48.895 XC1.3@65.903,48.895 XC2.2 XC2.3 XC3.1 XC3.2 XD1\DD1.23 XD1\DD1.24 XJ2*.1 XJ2*.3 XJ3*.3 XJ4*.3 XJ5.1 XJ5.2 XJ6.1 XJ6.2 XJ15.1 XJ15.2 XJ15.3 XJ31.2 XJ31.3 XJP1_2_19.1 XJP1_2_19.2 XJP1_2_20.1 XJP1_2_20.2 XL1.2 XS15*.1 XS15*.2 XS16.1 XS16.2
copper on no net: | length 492
  Component Side w0.127: 44.374,32.004 45.898,32.004 ; 44.399,34.646 45.923,34.646
  Component Side w0.2: 54.055,4.949 54.055,6.684 55.296,7.925 55.296,9.462 ; 95.174,95.707 95.2,95.733 95.249,95.733
  Component Side w0.254: v2@1.884,36.383 1.886,38.823 4.293,41.224 ; 3.556,35.925 3.556,38.405 4.912,39.761 4.912,39.792 5.664,40.544 5.664,43.291 4.683,44.272 4.293,44.272 ; v2@7.188,13.538 9.002,11.725 11.315,11.725 ; v1(7.992,33.622) 8.785,34.414 8.785,37.015 ; 11.781,88.579 14.3,88.579 ; 14.295,86.579 16.81,86.579 16.81,84.688 v2(17.932,83.566) ; 14.295,88.579 14.3,88.584 14.3,90.17 15.24,91.11 17.551,91.11 v2(18.275,91.834) ; 42.37,14.455 42.574,14.251 ; 45.898,34.62 47.523,34.62 48.844,33.299 48.844,33.223 ; 45.949,32.004 47.574,32.004 48.87,30.709 ; 54.534,30.709 58.598,30.709 v1@60.198,32.309 ; 54.534,33.249 v1@61.112,33.249 ; 60.812,46.206 60.812,48.875 ; 60.935,55.347 62.093,56.505 62.093,57.03 62.194,57.04 ; v2@63.398,51.511 63.398,53.772 ; v2(65.888,51.589) 65.888,53.772 ; v1(73.457,32.868) 78.486,32.868 79.604,31.75 79.604,30.556 ; 73.825,65.837 75.521,65.837 76.164,65.194 ; v1@74.346,31.953 76.149,31.953 76.784,31.318 76.784,30.505 ; 75.772,70.888 75.772,70.891 ; 76.911,91.491 76.911,91.719 ; 76.937,88.824 76.962,88.824 ; 77.14,28.931 78.232,30.023 v1(78.232,31.877) ; v1(78.232,26.137) 78.232,27.915 79.248,28.931 ; 87.972,70.891 87.972,71.182 ; 95.428,78.638 95.428,79.019 ; 95.427,96.038 95.58,95.885
  Component Side w0.4: 11.575,17.026 11.575,18.55 ; 16.51,11.887 19.38,11.887 ; 35.096,23.571 35.255,23.73 35.255,24.25 ; 42.37,14.455 45.295,14.455 45.45,14.3 ; v2(42.574,10.922) 42.574,14.251 ; 67.335,92.075 72.847,92.075 73.711,92.939 75.692,92.939 76.911,91.719 ; 67.386,90.703 67.513,90.576 73,90.576 73.482,90.094 75.667,90.094 76.937,88.824 ; 70.088,67.147 77.096,67.147 ; 75.772,70.888 77.114,69.545 77.114,67.344
  Component Side w0.6: 81.432,88.875 81.437,91.44 ; 87.972,70.891 87.972,72.96 93.777,78.765 95.555,78.765 ; 87.972,82.891 88.926,83.845 95.555,83.845 ; 95.555,81.305 95.566,81.305 ; v2@95.58,90.297 95.58,92.245 95.58,95.885
  Bottom Layer w0.2: 48.858,30.726 51.99,30.726 54.53,30.726 ; 48.858,33.266 51.99,33.266 54.53,33.266 ; 54.055,4.949 54.055,4.909 52.298,3.151 51.555,2.409 ; 51.465,2.409 51.555,2.409 ; 51.465,2.409 51.486,2.388 51.587,2.388 51.566,2.409 51.555,2.409 ; 51.465,2.409 51.555,2.409
  Bottom Layer w0.254: v2(1.885,36.373) 1.874,33.131 2.458,32.517 7.188,27.788 v2@7.188,13.538 ; v1(4.928,39.776) 4.928,36.687 v1(7.992,33.622) ; v2(17.932,83.566) 19.507,83.566 20.777,84.836 20.777,91.161 22.708,93.091 24.859,93.091 ; v2(18.275,91.834) 20.041,93.599 25.019,93.599 ; 28.473,13.589 29.007,13.208 ; 28.473,13.64 30.988,13.64 31.064,13.564 ; v1@60.223,32.283 72.771,32.283 73.127,31.928 v1(74.295,31.928) ; 60.769,48.666 60.91,48.807 60.91,48.998 ; 60.812,48.875 63.424,51.487 v2(63.424,51.511) ; 60.947,48.977 60.947,49.06 ; v1(61.036,33.249) 62.128,33.249 62.506,32.871 v1@73.482,32.842 ; v1@61.062,33.401 v1@61.189,33.274 ; v2@63.398,51.511 63.5,51.511 64.287,52.299 64.821,52.832 82.829,52.832 93.091,42.57 93.091,28.931 95.529,26.492 ; v2@65.888,51.587 65.938,51.587 66.675,52.324 82.626,52.324 92.583,42.367 92.583,26.899 95.529,23.952 ; v2(65.888,51.589) 65.888,49.086 66.04,48.933 ; v1@78.194,31.864 79.845,31.864 85.039,26.67 89.027,26.67 93.777,21.92 93.777,6.706 95.555,4.928 95.555,4.877 ; v1@78.207,26.137 88.671,26.137 93.218,21.59 93.218,4.699 ; 93.218,4.775 95.573,2.42 95.573,2.355
  Bottom Layer w0.4: 25.933,13.589 28.473,13.589 ; 29.007,13.208 31.267,10.947 v2@42.57,10.947 ; 95.529,44.882 95.529,52.527
  Bottom Layer w0.6: 74.462,88.878 74.462,91.44 ; v2(95.555,90.272) 93.751,88.468 93.751,83.12 95.566,81.305
  other v1: 60.198,32.283
  other v2: 7.188,13.513
  other v5: 28.677,94.386 28.677,94.393 40.894,94.386 40.894,94.386

## Keep-outs
Keep-Out Layer:
  circle w0.254: c87.808,76.759 r1.6
  circle w0.254: c13.818,27.28 r1.6

## Silkscreen, mask and mechanical layers (free items; w line width, h text height)
Top Overlay:
  circle w0.5: c31.826,95.682 r0.219
  circle w0.5: c11.252,5.283 r0.219
  circle w0.5: c18.313,41.046 r0.1
  circle w0.254: c95.631,61.62 r1.444
  circle w0.254: c95.656,19.202 r1.444
  circle w0.5: c51.537,7.239 r0.219
  circle w0.5: c44.12,8.1 r0.219
  circle w0.5: c63.906,4.42 r0.219
  circle w0.5: c26.721,2.642 r0.219
  circle w0.5: c8.128,65.45 r0.219
  circle w0.5: c2.007,86.004 r0.219
  circle w0.5: c30.455,21.514 r0.219
  circle w0.5: c31.786,95.656 r0.219
  circle w0.5: c73.622,95.072 r0.219
  circle w0.5: c25.933,94.92 r0.219
  circle w0.5: c83.007,91.542 r0.219
  circle w0.5: c61.671,93.345 r0.219
  circle w0.5: c48.235,97.536 r0.219
  circle w0.5: c30.556,85.369 r0.219
  circle w0.5: c64.004,68.109 r0.219
  circle w0.5: c73.772,74.955 r0.219
  lines w0.025: 19.816,43.548 19.816,41.048 24.282,41.048 24.282,43.566 19.835,43.566
  lines w0.2: 45.872,95.758 45.872,103.759 53.975,103.759 53.975,94.539 48.235,94.539 ; 72,95.072 72,105.072 84.08,105.072 84.08,93.072 75.5,93.072 ; 94.292,87.37 94.292,92.733 ; 96.868,87.657 96.868,92.733
  lines w0.254: 27.889,82.953 27.889,84.728 28.777,83.841 27.889,82.953 ; 71.222,68.641 71.222,85.141 93.722,85.141 93.722,68.641 71.222,68.641
  lines w0.635: 2.175,71.575 5.15,71.575 ; 6.75,71.55 9.725,71.55
  text "X5_Block" at 87.147,95.072 h0.6 r90
  text "X3_Alarm" at 47.93,93.243 h0.6
  text "INT2" at 13.411,92.837 h0.6
  text "SDA" at 16.205,92.837 h0.6
  text "SCL" at 18.771,92.837 h0.6
  text "GND" at 21.184,92.837 h0.6
  text "VDD2" at 23.47,92.837 h0.6
  text "PGD" at 39.98,92.583 h0.6
  text "PGC" at 42.342,92.583 h0.6
  text "VP1" at 93.929,89.256 h0.6 r90.6
  text "XJ21_PGC" at 46.126,87.833 h0.6 r90
  text "XJ22_PGD" at 45.314,87.732 h0.6 r90
  text "NC" at 95.072,85.496 h0.6
  text "+" at 7.188,84.582 h3
  text "K1" at 70.129,84.48 h0.6
  text "NC" at 53.01,78.435 h0.6
  text "NO" at 55.728,78.384 h0.6
  text "NO" at 95.174,76.583 h0.6
  text "XJP1_1.1" at 27.33,75.768 h0.6
  text "3GND" at 94.437,67.666 h0.6
  text "VBAT" at 94.513,63.424 h0.6 r0.67
  text "DO1" at 66.929,58.268 h0.6 r90.44
  text "VEXT" at 93.675,53.111 h0.6 r90.44
  text "T2" at 65.312,50.444 h0.6
  text "GND" at 62.586,50.419 h0.6
  text "T1" at 60.389,50.394 h0.6
  text "VUSB" at 93.675,50.19 h0.6 r90
  text "+" at 85.014,50.038 h6
  text "5VEXT" at 93.675,44.806 h0.6 r89.63
  text "BAT" at 1.397,43.256 h0.6
  text "XJP1_1.2" at 26.949,42.748 h0.6
  text "VDD2" at 0.787,41.631 h0.6
  text "R2" at 93.751,36.17 h0.6 r90
  text "FDP" at 42.062,35.941 h0.6
  text "PDP" at 45.161,35.941 h0.6
  text "R1" at 93.751,33.782 h0.6 r90
  text "GND" at 92.05,31.369 h0.6
  text "FDM" at 42.062,30.099 h0.6
  text "PDM" at 45.06,30.099 h0.6
  text "DMX" at 75.616,29.642 h0.6 r90
  text "DPX" at 81.458,29.616 h0.6 r90
  text "GND" at 92.05,28.804 h0.6
  text "PTX" at 81.458,26.695 h0.6 r90
  text "PRX" at 75.641,26.67 h0.6 r90.81
  text "T1" at 93.726,26.111 h0.6 r90
  text "T2" at 93.726,23.139 h0.6 r90.26
  text "A(3V3)" at 68.174,20.015 h0.6
  text "GND" at 72.314,20.015 h0.6 r90.08
  text "A1(5V)" at 72.949,20.015 h0.6
  text "VDD2" at 14.325,19.875 h0.6
  text "GND" at 17.15,19.875 h0.6
  text "VUSB" at 19.425,19.875 h0.6
  text "3V3" at 8.475,19.101 h0.6
  text "-" at 94.64,17.704 h3
  text "5V" at 9.042,17.475 h0.6
  text "default" at 7.442,16.586 h0.6
  text "default" at 31.42,15.291 h0.6
  text "VEXT" at 25.908,15.24 h0.6
  text "VUSB" at 28.88,15.24 h0.6
  text "SS" at 93.091,12.268 h0.6
  text "RTE" at 92.481,9.703 h0.6
  text "RTE" at 12.446,6.807 h0.6
  text "RX" at 15.265,6.807 h0.6
  text "TX" at 17.805,6.807 h0.6
  text "GND" at 20.066,6.807 h0.6
  text "GND" at 94.056,6.731 h0.6 r90.63
  text "RX" at 93.066,4.648 h0.6
  text "TX" at 93.066,2.134 h0.6
Mechanical 15:
  lines w0.1: 94.292,88.433 95.068,87.657 ; 45.876,94.539 53.975,94.539 53.975,103.784 45.876,103.784 45.876,94.539 ; 72,93.072 72,105.072 84.08,105.072 84.08,93.072 72,93.072 ; 94.292,87.657 94.292,92.733 96.868,92.733 96.868,87.657 94.292,87.657
  lines w0.254: 1.035,46.4 0.025,46.4 0,46.375 0,0 97.5,0 97.5,100 0,100 0,53.6 ; 1.035,46.4 ccw(c0.991,50) 0.991,53.6 0,53.6 ; 0,53.6 0,53.6 ; 71.222,68.641 93.722,68.641 93.722,85.141 71.222,85.141 71.222,68.641
Mechanical 20:
  lines w0.05: -18.014,-5.501 -18.014,6.999 -5.434,6.999 -5.434,-5.501 -18.014,-5.501 ; 113.522,-10.962 113.522,1.538 126.102,1.538 126.102,-10.962 113.522,-10.962 ; 123.194,73.459 129.994,73.459 129.994,76.859 123.194,76.859 123.194,73.459 ; 134.604,-9.692 134.604,2.808 147.184,2.808 147.184,-9.692 134.604,-9.692 ; 136.361,30.728 145.681,30.728 145.681,36.328 136.361,36.328 136.361,30.728 ; 144.764,3.109 144.764,15.609 157.344,15.609 157.344,3.109 144.764,3.109

## Text inside footprints (layer, text, board x,y; h text height)
B2_BAT: Top Overlay "+" at 94.132,60.63 h3 r270
C35: Top Overlay "+" at 36.615,14.12 h1.5 r90
X10_BAT: Top Overlay "-" at 5.879,83.798 h1 r90; Top Overlay "+" at 4.88,85.671 h1 r270